# KiCad board Modem.kicad_pcb (continued)
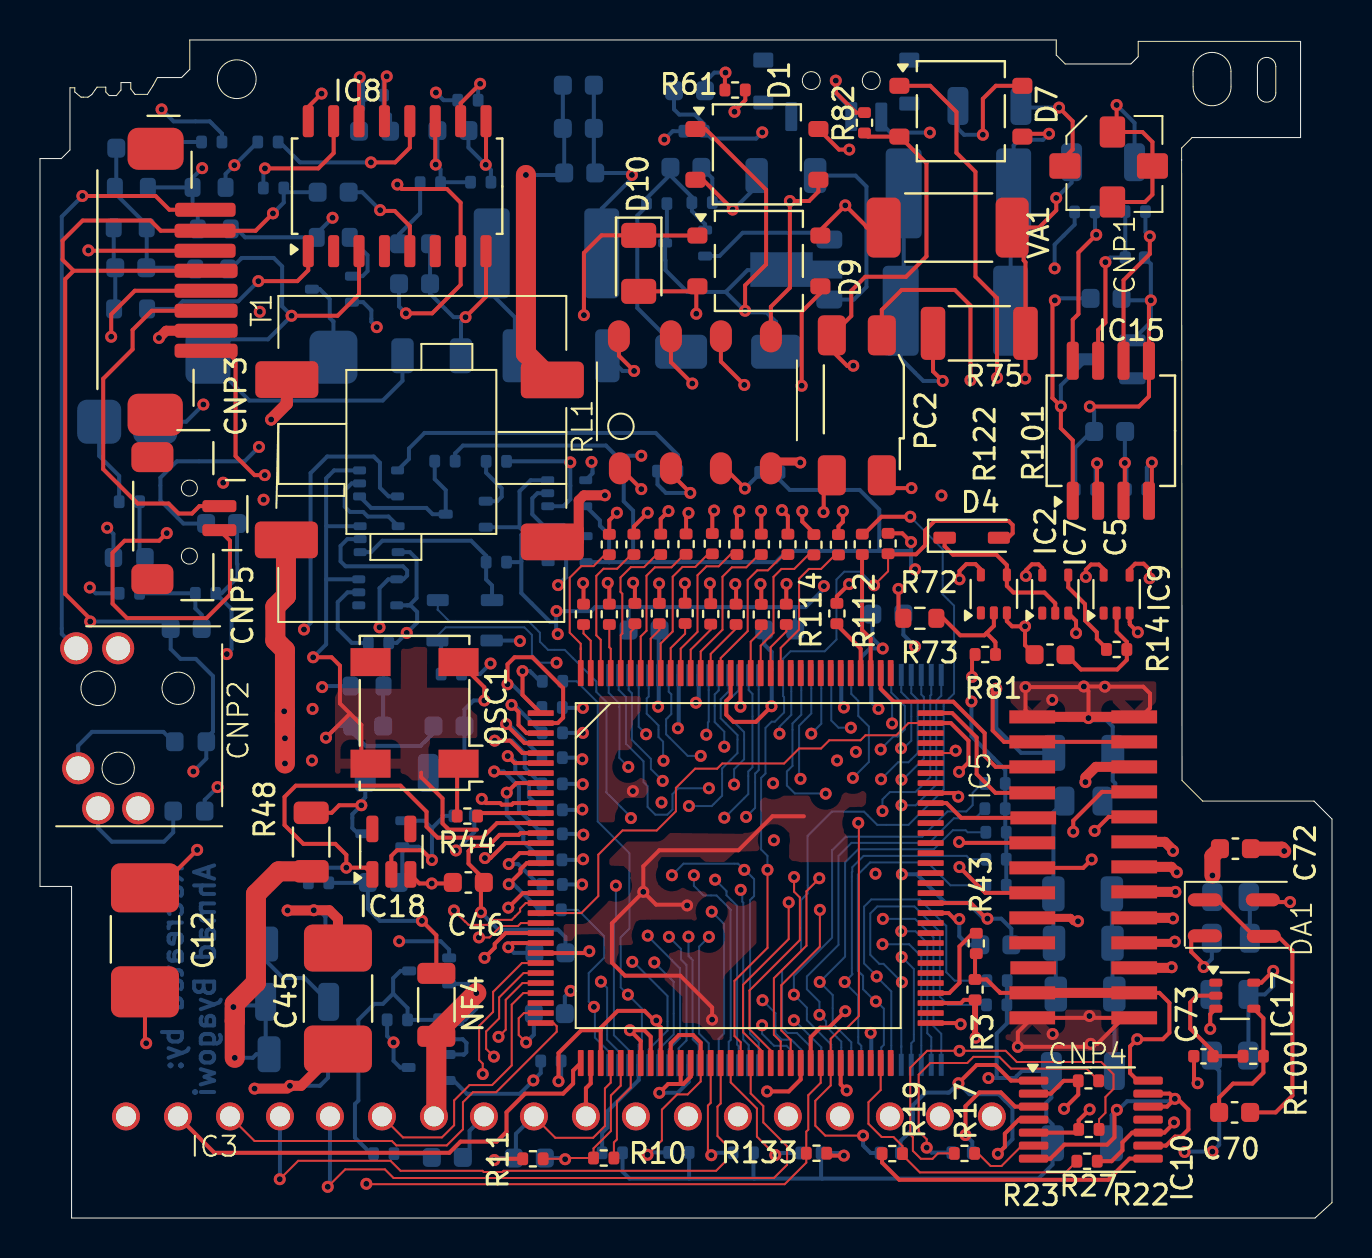
[diagram p0: board, top side]
## Routing (per net, layer and track width the routed paths; a pad name or vN(x,y) marks a point on that pad's centre or on a via; arc(x,y) is an arc through that point) (continued)
CNP5_2: length 18.5
  FC w0.2: CNP3.6 5.59,45.37 4.63,44.41 4.63,43.44 3.16,41.97 3.16,37.45 4.88,35.73 6.43,35.73 6.93,35.23 7.6,35.23 7.97,35.6 CNP5.2
D1_1: length 28.3
  FC w0.2: v1(35.26,45.37) 35.26,46.64 36.31,47.69 36.31,51.42 33.27,54.46 D1.1
  BC w0.2: R20.1 31.35,49 31.26,48.91 Q1.3 31.26,47.9 31.28,47.88 31.28,47.4 32.37,46.31 34.29,46.31 ; 34.29,46.31 35.38,47.4 39.35,47.4 Q2.2 ; 34.29,46.31 35.23,45.37 v1(35.26,45.37) 35.34,45.29 36.33,45.29 36.81,44.81 D2.1
D1_2: length 7.9
  FC w0.2: v1(34.64,50.43) 33.15,51.92 D1.2
  BC w0.2: C15.1 33.62,52 R9.1 34.29,50.78 v1(34.64,50.43) 34.68,50.43 35.84,51.59 R7.2
D2_2: length 14.7
  BC w0.2: D2.2 29.87,45.51 29.87,50.13 30.33,50.59 R20.2 30.33,50.99 31.53,52.19 31.53,52.54 31.53,52.14 32.6,51.06 R9.2 32.6,50.36 33.26,49.7 Q1.1
D4_1: length 8.2
  FC w0.2: IC7.2 50.77,30.74 50.23,31.28 48.68,31.28 48.35,31.61 IC2.4 48.35,32.65 47.83,33.17 45.66,33.17 45.24,33.59 D4.1
D7_1: length 38.6
  FC w0.2: v1(47.86,42.02) 47.86,46 46.78,47.08 46.78,52.32 45.83,53.27 45.83,55.31 44.52,56.62 D7.1 ; v1(50.75,45.89) 50.63,45.77 50.63,41 50.64,41 v1(51.05,40.59) 51.05,39.49 51.64,38.9 IC15.1
  IC2 w0.2: v1(50.75,45.89) 49.44,45.89 47.86,44.31 v1(47.86,42.02)
  BC w0.2: v1(50.75,45.89) 50.85,45.99 C54.2 ; D6.3 51.05,41.64 v1(51.05,40.59)
D7_3: length 11.7
  FC w0.2: v1(50.46,54.22) 49.26,54.22 49.12,54.08
  BC w0.2: v1(50.46,54.22) 50.16,53.92 48.97,53.92 48.69,53.64 C60.1 48.54,51.09 C59.1
DA1_2: length 5.6
  FC w0.2: DA1.2 61.26,15.8 v1(62.51,15.8)
  BC w0.2: C71.1 60.5,16 R99.1 60.7,15.8 v1(62.51,15.8)
FDC_CTS1#: length 20.4
  FC w0.1: v1(56.66,18.36) 56.66,18.4
  FC w0.2: v1(52.49,5.43) 51.94,4.88 R23.2 51.78,4.27 IC10.5
  FC w0.5: CNP4.8 56.25,18.81 56.66,18.4
  IC2 w0.1: v1(56.66,18.36) 56.64,18.36 53.46,15.18 53.46,7.03 52.51,6.08 52.51,5.45 v1(52.49,5.43)
FDC_DCD1_PC110: length 16
  FC w0.2: IC5.65 45.98,9.75 v1(46.04,9.69) ; v1(56.75,13.82) 56.69,13.76
  FC w0.4: 56.69,13.76 CNP4.4
  IC1 w0.2: v1(46.04,9.69) 50.17,13.82 v1(56.75,13.82)
FDC_DIR1#_PC110: length 28.9
  FC w0.1: IC5.54 37.54,8.91 37.07,9.38 37.07,11.64 39,13.57 v1(39,15.41)
  FC w0.5: v1(56.78,16.31) CNP4.6
  IC1 w0.1: v1(56.78,16.31) 56.73,16.31 56.03,15.61 40.03,15.61 39.83,15.41 v1(39,15.41)
FDC_DSR1_PC110: length 31.6
  FC w0.1: v1(37.44,15.78) 37.44,13.95 35.16,11.67 35.16,9.29 36.04,8.41 IC5.51
  FC w0.5: v1(56.85,17.29) 56.58,17.56 CNP4.7
  IC1 w0.1: v1(37.44,15.78) 37.9,15.78 38.13,16.01 54.39,16.01 54.44,16.06 55.48,16.06 56.75,17.33 56.81,17.33 v1(56.85,17.29)
FDC_RI1_PC110: length 19.7
  FC w0.1: v1(56.66,14.98) 56.63,15.01
  FC w0.2: IC10.2 50.55,6.22 51.19,6.86 R22.2 51.92,6.17 v1(51.21,5.46)
  FC w0.5: 56.63,15.01 CNP4.5
  IC2 w0.1: v1(51.21,5.46) 51.21,5.45 51.81,4.85 52.74,4.85 53.17,5.28 53.17,6.09 53.83,6.75 53.83,12.15 v1(56.66,14.98)
FDC_RTS1#_PC110: length 28
  FC w0.1: IC5.53 37.04,8.82 36.7,9.16 36.7,11.99 38.33,13.62 38.33,16.34 38.97,16.98 v1(38.97,16.99)
  FC w0.2: v1(52.74,19.36) 53.44,20.06 CNP4.9
  IC1 w0.1: v1(38.97,16.99) 39.1,16.99 39.18,17.07 39.68,17.07 40.42,16.33 49.5,16.33 49.54,16.37 49.85,16.37 52.74,19.26 v1(52.74,19.36)
FDC_RXD1_PC110: length 30.8
  FC w0.1: v1(37.71,17.05) 37.71,16.32 38,16.03 38,13.9 35.48,11.38 35.48,9.44 36.54,8.38 IC5.52
  FC w0.2: CNP4.10 53.11,21.31 51.67,19.87 v1(51.67,19.32)
  IC1 w0.1: v1(51.67,19.32) 51.57,19.32 48.89,16.64 40.69,16.64 39.69,17.64 38.27,17.64 37.71,17.08 v1(37.71,17.05)
FDC_TXD1_PC110: length 16.4
  FC w0.2: v1(55.49,31.99) 55.49,32.42 55.19,32.72 54.77,32.72 54.49,32.44 IC9.4
  FC w0.5: v1(52.28,21.8) 52.28,22.04 52.8,22.56 CNP4.11
  IC2 w0.5: v1(55.49,31.99) 54.07,30.57 54.07,23.6 52.28,21.81 v1(52.28,21.8)
IC3_15: length 56.9
  FC w0.5: T1.3 26.94,33.81 26.94,35.88 27.2,36.14 v1(28.25,36.14)
  IC1 w0.5: v1(45.08,36.13) 45.08,36.23 43.93,37.38 39.92,37.38 39.07,36.53 37.27,36.53 36.54,37.26 29.37,37.26 v1(28.25,36.14)
  IC2 w0.5: v1(45.08,36.13) 45.09,36.12 45.09,24.56 44.38,23.85 44.38,10.02 42.83,8.47 42.83,7.26 40.65,5.08 IC3.15
IC6_2: length 4.8
  BC w0.2: IC4.4 26.75,34.1 26.19,34.66 25.15,34.66 24.62,35.19 24.62,35.99 24.88,36.25 IC6.2
IC7_4: length 4.5
  FC w0.2: IC7.4 51.42,31.54 52.26,30.7 52.26,29.88 52.85,29.29 52.85,28.96 53.33,28.48 R14.1
IC8_3: length 29.1
  FC w0.2: v1(12.58,45.12) 14.88,45.12 15.95,46.2 IC8.3
  BC w0.2: R56.1 18.13,41.87 17.14,40.88 10.47,40.88 8.4,42.95 R55.2 8.61,43.05 9.5,43.94 11.4,43.94 v1(12.58,45.12) 12.11,45.59 12.11,47.59 11.69,48.01 10.09,48.01 9.54,47.46 R57.1
IC8_5: length 5
  FC w0.2: IC8.5 18.5,49.61 17.74,50.36 17.05,50.36 v1(17.01,50.4)
  BC w0.2: v1(17.01,50.4) 16.11,51.3 C2#2.1
IC8_7: length 19.2
  FC w0.2: v1(17.87,51.68) 18.09,51.46 20.35,51.46 21.03,50.78 IC8.7 21.03,46.67 19.61,45.24 v1(18.3,45.24)
  IC2 w0.2: v1(19.8,56.28) 17.87,54.35 v1(17.87,51.68)
  BC w0.2: v1(18.3,45.24) 17.95,45.59 C43.2 ; R63.2 20.18,55.9 v1(19.8,56.28)
IC8_9: length 5.2
  FC w0.2: v1(22.29,52.67) 22.31,52.69 22.31,54.85
  BC w0.2: R68.1 22.55,52.41 v1(22.29,52.67) 21.42,53.54 C41.1
IC8_10: length 38.7
  FC w0.2: IC8.10 21.03,55.75 v1(22.01,56.72)
  IC1 w0.2: v1(10.95,38.56) 10.39,39.12 10.39,44.72 v1(10.99,45.32)
  IC2 w0.2: v1(22.01,56.72) 22.01,56.69 21.07,55.75 21.07,50.49 19.91,49.33 16.26,49.33 15.16,48.23 13.9,48.23 v1(10.99,45.32)
  BC w0.2: R63.1 21.91,56.62 v1(22.01,56.72) ; C42.2 7.17,34.73 6.02,35.88 6.02,37.02 6.84,37.84 10.23,37.84 v1(10.95,38.56)
IC8_11: length 6.4
  FC w0.2: v1(19.79,52.68) 19.76,52.71 IC8.11
  BC w0.2: C41.2 19.88,52.77 v1(19.79,52.68) 20.03,52.44 R62.1 20.05,51.8 R68.2
IC8_12: length 8.6
  FC w0.2: v1(16.55,52.79) 17.76,52.79 18.5,53.53 IC8.12
  BC w0.2: R13.1 11.98,53.81 13,52.79 v1(16.55,52.79)
IC8_13: length 22.9
  FC w0.2: IC8.13 17.22,56.98 v1(17.34,57.09)
  IC1 w0.2: v1(6.08,55.44) 6.12,55.44 7.29,54.27 15.92,54.27 17.34,55.69 v1(17.34,57.09)
  BC w0.2: R60.1 9.1,54.23 8.49,54.84 6.68,54.84 v1(6.08,55.44) ; C38.1 17.5,55.16 17.18,55.48 R59.1 17.18,56.93 v1(17.34,57.09)
IC8_14: length 5.1
  FC w0.2: v1(15.99,57.05) 15.95,57.02 IC8.14
  BC w0.2: C38.2 15.95,55.27 16.16,55.47 R59.2 16.16,56.88 v1(15.99,57.05)
IC8_15: length 22.2
  FC w0.2: v1(11.25,52.49) 13.92,52.49 14.69,53.26 14.69,54.85
  IC1 w0.2: v1(8.17,40.68) 8.17,49.41 v1(11.25,52.49)
  BC w0.2: R4.2 11.17,52.41 v1(11.25,52.49) ; v1(8.17,40.68) 7.31,39.82 C13.1
IC8_16: length 59.9
  FC w0.2: v1(7.86,18.41) 5.96,16.51 C12.2 ; IC8.16 13.41,55.57 v1(14.08,56.23)
  IC2 w0.2: v1(14.08,56.23) 11.81,53.96 11.04,53.96 9.73,52.65 v1(9.72,52.65) 8.44,53.93 6.83,53.93 4.83,51.93 4.83,47.72 2.24,45.13 2.24,31.78 v1(2.49,31.53) 3.22,30.8 4.35,30.8 5.72,29.43 5.72,28.01 4.9,27.19 4.9,24.79 6.41,23.28 6.41,19.86 v1(7.86,18.41)
  BC w0.2: R13.2 9.73,52.65 v1(9.72,52.65) 9.28,52.21 R58.1 ; v1(2.49,31.53) 2.78,31.24 R70.2
IC9_2: length 6.1
  FC w0.2: IC9.2 53.84,29.32 54.35,28.81 R14.2 54.35,27.91 53.87,27.43 52.06,27.43 51.32,28.17 C5.2
IC10_6: length 3.6
  FC w0.1: IC10.6 49.1,3.62 48.08,2.6 47.54,2.6 46.91,3.23 R17.1
IC10_8: length 14.5
  FC w0.2: IC10.8 54.48,2.97 53.42,1.91 42.97,1.91 42.11,2.77 R19.2
IC12_3: length 41.2
  FC w0.2: R112.1 39.85,31.09 v1(40.46,31.7)
  IC1 w0.2: v1(41.78,17.22) 40.89,18.11 30.29,18.11 v1(28.8,16.62)
  IC2 w0.1: v1(41.78,17.22) 43.76,19.2 43.76,25.59 40.46,28.89 v1(40.46,31.7)
  BC w0.1: v1(28.8,16.62) 28.8,14.85 28.7,14.75 28.7,9.14 29.44,8.4 IC12.30
IC13_2: length 8.9
  BC w0.2: IC13.2 15.38,31.29 14.89,30.8 14.89,29.46 15.59,28.76 R25.2 16.42,28.13 17.18,27.37 R24.1 17.16,26.59 C37.1
IC13_4: length 18.4
  IC2 w0.2: v1(16.98,29.54) 17.42,29.98 22.94,29.98 24,28.92 v1(24,28.85)
  BC w0.2: D8.1 23.97,28.88 v1(24,28.85) ; IC16.2 15.37,33.95 15.03,33.61 15.03,32.84 15.28,32.59 18.15,32.59 18.36,32.38 18.36,32.13 18.17,31.94 IC13.4 17.42,31.94 16.98,31.5 v1(16.98,29.54)
IC14_1: length 7.6
  BC w0.2: IC14.1 16.56,35.51 19.32,35.51 19.63,35.2 Q7.3 20.29,36.4 19.74,36.95 R90.2
IC14_4: length 16.4
  BC w0.2: IC14.4 18.45,37.96 18.45,38.48 19.23,39.26 30.79,39.26 31.9,38.15 R46.1
IC15_2: length 3.2
  FC w0.2: IC15.2 52.86,35.93 v1(52.86,37.74)
  BC w0.2: R42.1 52.79,37.67 v1(52.86,37.74)
IC15_3: length 4.9
  FC w0.2: 54.19,35.87 54.25,35.94 v1(54.25,37.76)
  BC w0.2: R77.2 54.33,37.68 v1(54.25,37.76) 54.25,39.32 C52.1
IC15_4: length 3.4
  FC w0.2: IC15.4 55.6,36.02 v1(55.6,37.78)
  BC w0.2: R77.1 55.35,37.53 v1(55.6,37.78)
IC15_6: length 8.1
  FC w0.2: v1(55.5,49.09) 55.5,48.21 54.19,46.9 54.19,42.87
  BC w0.2: R15.1 55.28,49.31 v1(55.5,49.09)
IC15_7: length 8.5
  FC w0.2: IC15.7 52.91,44.42 53.28,44.78 v1(53.28,47.8)
  BC w0.2: v1(53.28,47.8) 53.51,48.03 C56.2 54.27,50.32 R15.2
IC15_8: length 33.1
  FC w0.2: IC15.8 51.64,44.93 51.93,45.21 51.93,48.28 v1(52.82,49.17)
  IC1 w0.2: v1(36.12,54.29) 36.35,54.29 38.55,52.09 47.43,52.09 50.35,49.17 v1(52.82,49.17)
  BC w0.2: v1(36.12,54.29) 35.81,53.98 33.59,53.98 R78.1 33.22,54.7 32.74,55.18 31.97,55.18 31.7,55.45 C56#2.2 ; R68#2.1 52.76,49.23 v1(52.82,49.17)
IC16_1: length 9.2
  BC w0.2: D3.1 22.6,31.64 22.31,31.93 R2.2 22.31,33.12 21.56,33.87 17.12,33.87 16.55,33.3 IC16.1
IC16_4: length 4.8
  BC w0.2: IC16.4 17.43,35.08 16.39,35.08 16.16,35.31 15.5,35.31 15.24,35.57 15.24,36.39 15.59,36.74 IC14.2
IC17_2: length 6.1
  FC w0.2: R100.2 C73.2 58.66,8.33 57.52,9.47 57.52,10.78 57.86,11.12 IC17.2
IC18_2: length 11.5
  FC w0.2: v1(19.6,17.9) 19.11,18.39 17.85,18.39 17.57,18.11 IC18.2
  BC w0.2: 19.6,19.49 20.22,20.11 R49.2 ; 19.6,19.49 v1(19.6,17.9) 18.93,18.57 D5.2 18.12,16.96 C58.1 ; 19.6,19.49 19.22,19.87 D5.1
IREF2: length 4.2
  FC w0.1: IC5.31 24.2,10.25 23.94,9.99 23.94,9.15 v1(24.31,8.78)
  BC w0.2: C34.2 24.69,9.17 v1(24.31,8.78)
L1_1: length 62.2
  FC w0.2: v1(47.15,54.17) 47.15,55.97 47.8,56.62 49.12,56.62 ; D1.4 39.95,53.43 v1(40.47,53.43) ; 39.03,49.13 39.03,49.4 v1(40.27,50.64) 41.3,49.61 41.3,49.58 41.35,49.53 42.48,49.53
  FC w0.6: T1.1 12.34,40.71 v1(11.56,39.93)
  IC1 w0.2: v1(40.47,53.43) 40.67,53.23 46.21,53.23 v1(47.15,54.17) ; v1(11.56,39.93) 11.56,42.11 12.29,42.84 27.45,42.84 28.82,44.21 32.34,44.21 32.71,43.84 36.57,43.84 40.27,47.54 v1(40.27,50.64)
  IC2 w0.2: v1(40.27,50.64) 40.27,50.63 40.27,53.23 v1(40.47,53.43)
  BC w0.2: 47.24,54.17 v1(47.15,54.17) 46.21,54.17 45.91,54.48 L1.2
L1_2: length 43
  FC w0.2: v1(49.27,41.98) 49.28,41.99 R75.2 49.28,47.8 49.19,47.89 49.19,48.74 48.4,49.53 49.96,49.53 50.82,50.39 v1(50.82,51.01) ; RL1.6 34.05,42.83 v1(35.22,41.66) ; RL1.8 28.95,43.12 v1(29.71,42.36)
  IC1 w0.2: v1(49.27,41.98) 49.27,42.62 48.78,43.11 44.3,43.11 42.54,41.35 40.4,41.35 38.89,42.86 36.47,42.86 35.27,41.66 v1(35.22,41.66) 33.95,42.93 30.28,42.93 v1(29.71,42.36)
  BC w0.2: v1(50.82,51.01) 51.59,51.78 L2.2 ; R12.1 29.13,42.36 v1(29.71,42.36)
L3_1: length 15.9
  IC2 w0.2: v1(9.34,28.2) 8.89,27.75 8.89,21.56 v1(8.88,21.55)
  BC w0.2: L3.1 8.24,20.91 v1(8.88,21.55) ; v1(9.34,28.2) 9.58,28.44 9.58,30.45 R71.1 9.08,31.24 9.87,32.03 9.87,32.71 9.85,32.73 9.85,33.58 9.85,33.59 C42.1
L3_2: length 6.3
  BC w0.2: L3.2 6.66,19.28 6.2,18.82 3.59,18.82 2.91,19.5 CNP2.1
L4_1: length 2.9
  BC w0.2: R65.1 4.98,33.3 L4.1
L5_2: length 6.5
  BC w0.2: CNP2.5 1.91,23.62 2.6,24.31 6.17,24.31 6.66,23.82 L5.2
MN192_S11_BUF: length 51.3
  FC w0.4: CNP4.22 51.53,15.01 51.7,14.84 v1(51.91,14.84)
  IC2 w0.2: v1(24.67,6.88) 24.68,6.88
  IC2 w0.4: v1(51.91,14.84) 51.5,14.43 51.5,8.63 49.62,6.75 49.62,3.05 48.56,1.99 25.71,1.99 25.05,2.65 25.05,3.53 25.83,4.31 25.83,5.73 24.68,6.88
  BC w0.2: Q4.2 20.68,6.88 21.35,6.21 24,6.21 v1(24.67,6.88) 25.04,7.25 R52.2
MN195_A0: length 7.5
  FC w0.1: IC5.128 27.04,28.44 ; 27.04,28.44 27.04,28.72 26.49,29.27 26.49,32.02 27.07,32.6 27.68,32.6 28.25,33.17 R111.2 ; 27.04,28.44 27.04,28.51
MN195_A1: length 2.6
  FC w0.1: R122.2 27.18,29.23 27.54,28.87 IC5.127
MN195_A2: length 7.3
  FC w0.1: R110.2 29.57,33.18 28.86,32.47 28.18,32.47 27.82,32.11 27.82,29.14 28.04,28.92 IC5.126
MN195_A3: length 2.5
  FC w0.1: IC5.125 28.54,28.47 28.47,28.54 R121.2
MN195_A4: length 7.3
  FC w0.1: R109.2 30.84,33.18 30.21,32.55 29.55,32.55 29.03,32.03 29.03,31.31 29.12,31.22 29.12,29.23 29.04,29.15 IC5.124
MN195_A5: length 2.6
  FC w0.1: IC5.123 29.54,29.32 29.75,29.53 R120.2
MN195_A6: length 7.4
  FC w0.1: IC5.122 30.04,29.08 30.33,29.37 30.33,32.12 30.75,32.54 31.58,32.54 32.23,33.19 R108.2
MN195_A7: length 2.6
  FC w0.1: IC5.121 30.54,28.97 30.97,29.4 R119.2
MN195_A8: length 7.5
  FC w0.1: R107.2 33.42,33.21 32.77,32.56 32.13,32.56 31.64,32.07 31.64,29.33 31.04,28.73 IC5.120
MN195_A9: length 2.8
  FC w0.1: R118.2 32.26,29.22 31.54,28.5 IC5.119
MN195_A10: length 7.6
  FC w0.1: IC5.118 32.04,28.47 32.88,29.31 32.88,32.14 33.33,32.59 33.94,32.59 34.53,33.18 R106.2
MN195_A11: length 2.9
  FC w0.1: IC5.117 32.54,28.42 33.54,29.42 R117.2
MN195_A12: length 7.7
  FC w0.1: R105.2 35.96,33.18 35.32,32.54 34.6,32.54 34.13,32.07 34.13,29.42 33.04,28.33 IC5.116
MN195_A13: length 3
  FC w0.1: IC5.115 33.54,28.21 34.81,29.48 R116.2
MN195_A14: length 7.8
  FC w0.1: IC5.114 34.04,28 35.39,29.35 35.39,31.91 35.87,32.39 36.4,32.39 37.19,33.18 R104.2
MN195_A15: length 2.6
  FC w0.1: IC5.111 35.54,28.82 36.07,29.35 R115.2
MN195_A16: length 7.6
  FC w0.1: IC5.110 36.04,28.62 36.68,29.26 36.68,32.06 37.08,32.46 37.72,32.46 38.42,33.16 R103.2
MN195_A17: length 2.8
  FC w0.1: R114.2 37.32,29.33 36.54,28.55 IC5.109
MN195_A18: length 7.6
  FC w0.1: R102.2 39.76,33.16 39.06,32.46 38.45,32.46 37.96,31.97 37.96,29.43 37.04,28.51 IC5.108
MN195_ADCK#: length 38.9
  FC w0.1: IC5.21 27.07,15.25 27.92,16.1 27.92,18.17 29.13,19.38 30.84,19.38 31.8,20.34 31.8,21.51 32.76,22.47 33.86,22.47 34.12,22.73 37.21,22.73 37.96,23.48 39.06,23.48 39.47,23.89 41.03,23.89 41.28,24.14 42.82,24.14 43.43,24.75 IC5.95
  FC w0.2: CNP4.21 47.27,16.26 v1(45.98,17.55) ; v1(45.96,22.31) 46.43,22.78 46.43,23.87 45.55,24.75 IC5.95
  IC2 w0.1: 45.35,18.45 45.35,18.18 v1(45.98,17.55) ; 45.35,18.45 45.35,18.53 ; 45.35,18.45 45.35,21.7 v1(45.96,22.31)
MN195_AGCIN: length 30.7
  FC w0.1: IC5.28 24.13,11.75 23.29,10.91 23.29,9.42 v1(22.93,9.06)
  IC1 w0.2: v1(22.93,9.06) 23.25,9.38 24.57,9.38 25.51,8.44 42.33,8.44 44.67,6.1 46.58,6.1 IC3.18
MN195_AGCOUT: length 29.5
  FC w0.1: IC5.27 24.18,12.25 22.96,11.03 22.96,9.98 22.31,9.33 22.31,8.46 v1(22.7,8.07)
  IC1 w0.2: IC3.17 42.12,7.96 22.81,7.96 v1(22.7,8.07)
MN195_CX: length 3.2
  FC w0.2: R44.1 22.03,20.25 IC5.11
MN195_DVDD1: length 76.3
  FC w0.2: IC5.113 34.54,26.08 34.32,25.86 34.32,25.17 34.68,24.81 35.8,24.81 v1(36.58,25.59) ; IC5.25 27.38,13.25 v1(27.47,13.34) ; IC5.77 46.55,15.75 47.19,15.11 47.24,15.11 v1(47.38,14.97) ; IC5.13 24.03,19.25 23.94,19.16 22.98,19.16 22.43,18.61 21.69,18.61 21.43,18.35 21.43,17.72 22.19,16.96 C46.2 22.05,16.64 v1(22.05,15.29)
  IC1 w0.4: v1(43.1,17.19) 43.1,17.4 41.61,18.89 v1(36.7,18.89) 36.47,18.66 29.63,18.66 28.02,17.05 28.02,13.89 v1(27.47,13.34)
  IC2 w0.4: v1(36.58,25.59) 35.67,24.68 35.67,21.4 36.7,20.37 v1(36.7,18.89)
  BC w0.2: R33.1 50.63,13.66 C47.1 48.57,14.47 48.07,14.97 v1(47.38,14.97) 47.19,14.97 46.39,15.77 45.27,15.77 43.85,17.19 v1(43.1,17.19) ; R33.1 50.8,13.65 R34.1 ; R33.1 50.71,13.86 50.68,13.89 R26.1 50.68,20.3 C23.2 ; v1(36.58,25.59) 36.59,25.6 36.59,28.31 36.22,28.69 C48.2 ; v1(27.47,13.34) 27.39,13.26 C39#2.1 26.28,14.05 25.9,14.42 22.92,14.42 v1(22.05,15.29)
MN195_EQMD#: length 19.6
  FC w0.1: IC5.20 24.29,15.75 24.01,15.47 24.01,15.33 23.76,15.08 23.59,14.91 22.64,14.91 22.39,14.66 21.43,14.66 21.27,14.82 21.26,14.82 v1(20.7,15.38)
  IC2 w0.1: 20.7,16.21 20.7,16.28 ; 20.7,16.21 20.7,16.7 20.05,17.35 18.68,17.35 17.94,18.09 17.94,22 14.48,25.46 v1(13.63,25.46) ; 20.7,16.21 v1(20.7,15.38)
MN195_EYCY#: length 17.8
  FC w0.1: v1(21.95,14.03) 22.48,14.03 23.05,14.6 23.9,14.6 24.05,14.75 IC5.22
  IC2 w0.1: v1(21.95,14.03) 20.99,14.03 17.55,17.47 17.55,21.62 16.29,22.88 v1(13.6,22.88)
MN195_HDRES#: length 24.6
  FC w0.2: IC5.12 22.85,19.75 22.12,19.02 19.88,19.02 19.33,19.57 19.33,20.32 18.03,21.62 12.79,21.62 12.23,21.06 12.23,19.65 13.17,18.71 14.77,18.71 15.32,18.16 v1(15.32,17.52) 16.28,17.52 IC18.1
  BC w0.2: v1(15.32,17.52) 13.64,17.52 13.42,17.3 R51.2
MN195_HPOUT: length 13.9
  FC w0.1: IC3.6 18.15,4.03 20.1,4.03 20.71,4.64 20.71,5.88 21.48,6.65 22.61,6.65 23.59,7.63 23.59,10.67 24.17,11.25 IC5.29
MN195_HVDD: length 23.7
  FC w0.2: IC3.2 8.72,3.26 20.47,3.26 21.03,3.82 22.84,3.82 23.33,4.31 23.33,5.29 24.26,6.22 26.16,6.22 26.66,6.72 26.66,7.37 IC5.33
MN195_IREF0: length 5.1
  FC w0.1: R10.1 28.7,3.78 28.85,3.93 28.85,5.83 29.54,6.52 IC5.38
MN195_IREF1: length 8.9
  FC w0.1: IC5.37 29.04,6.62 28.55,6.13 28.55,4.35 27.68,3.48 R10.2 26.32,3 v1(26.26,2.94) 26.24,2.96 R11.1
  BC w0.2: v1(26.26,2.94) 26.2,3 C2.1
MN195_IRQ1#: length 18.7
  FC w0.1: v1(46.79,9.02) 46.76,9.05
  FC w0.2: IC5.67 46.05,10.75 46.21,10.91 R3.1 ; v1(52.59,17.93) 52.17,17.51 CNP4.20
  FC w0.3: 46.76,9.05 R3.1
  IC2 w0.1: v1(46.79,9.02) 46.8,9.02 47.44,9.66 47.44,12.8 52.57,17.93 v1(52.59,17.93)
MN195_IRQ2#: length 4.6
  FC w0.2: IC5.68 45.47,11.25 45.98,11.76 45.98,13.58 46.64,14.24 R43.2
MN195_MD0: length 6
  FC w0.2: v1(23.34,21.27) 23.82,21.75 IC5.8
  BC w0.2: R125.2 24.17,18.82 24.17,19.32 23.34,20.15 v1(23.34,21.27)
MN195_MD1: length 6.8
  FC w0.2: v1(22.71,22.33) 22.79,22.25 IC5.7
  BC w0.2: v1(22.71,22.33) 23.19,22.33 23.95,21.57 23.95,20.39 25.1,19.24 R126.2
MN195_MD2: length 5.2
  FC w0.2: IC5.6 23.74,22.75 v1(23.39,23.1)
  BC w0.2: R127.2 24.45,21.06 24.45,21.66 23.77,22.34 23.77,22.81 23.48,23.1 v1(23.39,23.1)
MN195_MD3: length 6.2
  FC w0.2: IC5.5 24.13,23.25 23.51,23.87 v1(22.74,23.87)
  BC w0.2: v1(22.74,23.87) 23.61,23.87 24.24,23.24 24.24,22.52 25.05,21.71 R124#2.2
MN195_MD4: length 4.6
  FC w0.2: IC5.4 24.23,23.75 23.31,24.67 v1(23.31,24.7)
  BC w0.2: v1(23.31,24.7) 23.42,24.7 R129.2
MN195_MD5: length 4.5
  FC w0.2: v1(23.58,25.66) 23.93,25.31 23.93,24.65 24.33,24.25 IC5.3
  BC w0.2: R130.2 23.71,25.66 v1(23.58,25.66)
MN195_MD6: length 9.5
  FC w0.2: IC5.2 25.89,24.75 26.16,25.02 26.16,26.5 24.62,28.04 23.73,28.04 23.38,27.69 v1(23.38,26.69)
  BC w0.2: R131.2 24.76,25.53 23.6,26.69 v1(23.38,26.69)
MN195_MD7: length 3.7
  FC w0.2: v1(24.13,27.35) 24.13,26.16 IC5.1
  BC w0.2: R132.2 25.01,26.84 24.5,27.35 v1(24.13,27.35)
MN195_MOD1,3: length 10.9
  FC w0.1: v1(30.38,3.16) 31.1,3.88 31.1,5.42 31.86,6.18 32.39,6.18 33.04,6.83 IC5.45
  FC w0.2: IC5.42 31.54,8.74 31.95,9.15 32.66,9.15 33.04,8.77 IC5.45
  BC w0.2: R41.2 30.5,3.28 v1(30.38,3.16)
MN195_MTA1: length 38.9
  FC w0.1: v1(45.79,23.37) 45.67,23.25 IC5.92
  IC2 w0.1: v1(45.79,23.37) 45,22.58 45,9.23 43.49,7.72 43.49,4.62 43.5,4.61 43.5,4.02 42.03,2.55 29.96,2.55 29.18,3.33 29.18,4.46 IC3.11
MN195_PLSD: length 32.2
  FC w0.2: v1(22.23,13.01) 22.74,13.52 22.74,13.71 23.28,14.25 IC5.23
  IC2 w0.2: IC3.1 5.49,3.89 15.12,3.89 15.68,4.45 15.68,13.35 16.93,14.6 18.34,14.6 19.96,12.98 22.2,12.98 v1(22.23,13.01)
MN195_RD#: length 4.3
  FC w0.2: IC5.16 24.34,17.75 24.03,17.44 24.03,17.28 v1(23.44,16.69)
  BC w0.2: R123.2 24.97,15.41 23.69,16.69 v1(23.44,16.69)
MN195_RXL: length 21.2
  FC w0.1: IC5.32 25.68,9.75 25.84,9.59 25.84,9.32 22.81,6.29 21.65,6.29 21.15,5.79 21.15,4.44 20.34,3.63 17.82,3.63 17.6,3.85 10.73,3.85 IC3.3
MN195_S0: length 59.5
  FC w0.1: IC5.46 33.54,5.76 33.4,5.62 33.4,3.31 v1(33.57,3.14)
  IC2 w0.1: v1(26.52,37.79) 24.65,35.92 24.65,28.57 24.28,28.2 23.44,28.2 23.15,28.49 21.98,28.49 21.44,27.95 21.44,15.08 21.85,14.67 24.01,14.67 24.78,13.9 24.78,10.96 28.53,7.21 32.76,7.21 33.48,6.49 33.48,4.44 33.57,4.35 v1(33.57,3.14)
  BC w0.2: R21.2 33.69,3.26 v1(33.57,3.14) ; R92.1 26.47,37.84 v1(26.52,37.79) 26.52,35.94 26.18,35.6 IC6.1
MN195_S1: length 31.4
  FC w0.1: v1(11.99,1.94) 12.91,2.86 17.53,2.86 18.03,2.36 22.13,2.36 22.19,2.3 23.12,2.3 23.18,2.36 33.81,2.36 34.26,2.81 34.26,3.72 33.88,4.1 33.88,5.57 34.04,5.73 IC5.47
  BC w0.2: IC3.4 12,1.95 v1(11.99,1.94)
MN195_S2: length 47.6
  FC w0.1: v1(36.77,3.15) 35.85,4.07 35.85,5.47 34.54,6.78 IC5.48
  IC2 w0.1: v1(25.91,31.65) 25.01,30.75 25.01,24.41 24.22,23.62 24.22,15.4 25.14,14.48 25.14,11.15 28.72,7.57 34.89,7.57 35.46,7 35.46,6.1 35.97,5.59 35.97,3.95 v1(36.77,3.15)
  BC w0.2: IC4.2 26.06,33.45 26.31,33.2 26.31,32.05 v1(25.91,31.65) ; R47.2 36.87,3.25 v1(36.77,3.15)
MN195_S3: length 40.7
  FC w0.1: v1(36.38,17.41) 36.38,13.51 34.73,11.86 34.73,9.1 35.04,8.79 IC5.49 ; v1(41.71,31.64) 42.41,32.34 R72.2
  FC w0.2: R72.2 42.44,33.19 43.81,33.19 44.26,33.64 44.26,34.38 44.74,34.86 48.44,34.86 48.64,34.66 48.64,34.24 48.42,34.02 D4.2
  BC w0.1: v1(41.71,31.64) 41.03,32.32 40.22,32.32 39.83,31.93 39.83,28.93 39.24,28.34 37.53,28.34 37.16,27.97 37.16,26.1 37.21,26.05 37.21,25.28 36.75,24.82 36.59,24.82 36.28,24.51 36.28,22.23 36.06,22.01 36.06,18.43 36.38,18.11 v1(36.38,17.41)
MN195_S4: length 33.2
  FC w0.1: IC5.50 35.54,6.23 36.17,5.6 36.17,4.78 37.36,3.59 37.36,2.66 36.7,2 17.68,2 17.25,2.43 15.26,2.43 v1(14.39,1.56)
  BC w0.2: v1(14.39,1.56) 14.5,1.67 IC3.5
MN195_S9: length 28.1
  FC w0.1: R22.1 52.33,7.47 48.56,7.47 47.97,8.06 46.68,8.06 46.37,7.75 44.52,7.75 43.94,7.17 43.94,4.34 44.34,3.94 v1(44.34,3.52)
  FC w0.2: IC5.55 38.04,6.93 37.44,6.33 v1(36.36,6.33) ; v1(44.34,3.52) 44.34,3.65
  IC1 w0.2: v1(44.34,3.52) 40.83,3.52 40.49,3.86 37.01,3.86 36.36,4.51 v1(36.36,6.33)
  BC w0.2: v1(44.34,3.52) 44.59,3.27 R16.2
MN195_S10: length 30.7
  FC w0.1: R23.1 52.96,4.94 53.28,5.26 53.28,6.05 53.68,6.45 53.68,7.19 53.07,7.8 48.85,7.8 48.29,8.36 v1(45.98,8.36) 44.36,8.36 43.52,7.52 43.52,4.17 43.65,4.04 43.65,3.36 44.05,2.96 44.63,2.96 44.9,3.23 R17.2
  FC w0.2: v1(40.27,10.34) 39.45,9.52 39.02,9.52 38.54,9.04 IC5.56
  IC1 w0.2: v1(40.27,10.34) 41.35,10.34 41.76,9.93 44.41,9.93 v1(45.98,8.36)
MN195_S11: length 43.9
  FC w0.1: IC5.57 39.04,6.76 38.42,6.14 38.42,4.42 38.32,4.32 R133.2 38.32,2.77 37.24,1.69 16.34,1.69 v1(16.32,1.71)
  IC2 w0.2: v1(17.96,13.84) 18.33,13.47 18.33,3.72 v1(16.32,1.71)
  BC w0.2: Q3.1 20.46,13.42 20.04,13.84 v1(17.96,13.84)
MN195_S12: length 50
  FC w0.1: v1(41.16,4.12) 39.27,4.12 38.77,4.62 38.77,5.86 39.54,6.63 IC5.58 39.54,8.96 40.06,9.48 40.33,9.48 40.95,10.1 40.95,19.73 v1(40.92,19.76)
  IC1 w0.1: v1(40.92,19.76) 40.82,19.66 36.57,19.66 36.05,19.14 30.62,19.14 29.76,20 v1(29.55,20)
  BC w0.1: v1(29.55,20) 29.55,20.05 28.32,21.28 28.32,25.81 27.82,26.31 27.82,26.83 26.24,28.41 25.41,28.41 25,28.82 25,29.27 24.41,29.86 20.45,29.86 19.89,30.42 19.89,30.44 ; 19.89,30.44 19.89,30.4 ; 19.89,30.44 D3.2
  BC w0.2: R67.2 41.54,3.25 41.16,3.63 v1(41.16,4.12)
MN195_S13: length 45.2
  FC w0.2: v1(40.34,6.38) 40.04,6.68 IC5.59
  IC2 w0.1: v1(25.83,27.77) 25.83,24.68 24.53,23.38 24.53,22.58 24.53,22.58 24.53,15.82 24.53,15.82 24.53,15.72 25.5,14.75 25.5,11.39 28.93,7.96 38.76,7.96 v1(40.34,6.38)
  BC w0.1: v1(25.83,27.77) 25,27.77 24.6,28.17 24.6,29.16 24.22,29.54 20.29,29.54 19.87,29.12 D8.2
  BC w0.2: 25.81,27.75 v1(25.83,27.77) ; R72#2.2 20.06,28.69 D8.2
MN195_SHIN: length 29.7
  FC w0.1: IC5.26 24.1,12.75 22.66,11.31 22.66,10.31 21.96,9.61 21.96,7.9 22.14,7.72 v1(22.14,7.2)
  IC1 w0.2: v1(22.14,7.2) 22.25,7.09 23.6,7.09 24.03,7.52 41.21,7.52 42.5,6.23 IC3.16
MN195_TXLPIN: length 12.5
  FC w0.1: IC3.9 25.77,4.01 27.66,4.01 28.25,4.6 28.25,6.48 28.54,6.77 IC5.36
  FC w0.2: R11.2 22.78,2.96 v1(22.72,2.9)
  BC w0.2: IC3.9 24.67,5.08 23.8,4.21 23.8,3.11 C2.2 22.82,3 v1(22.72,2.9)
MN195_TXOUT: length 2.8
  FC w0.2: IC5.34 27.54,6.73 27.3,6.49 IC3.10
MN195_U1RD#: length 15.2
  FC w0.1: IC5.63 42.04,6.4 41.43,5.79 41.43,4.71 42.09,4.05 42.68,4.05 43.13,3.6 R19.1 43.13,3.15 44,2.28 51.29,2.28 R27.2
MN195_U1RD#_R: length 15.2
  FC w0.1: v1(56.59,12.54) 56.56,12.51
  FC w0.2: R27.1 53.59,2.84 54.13,3.38 54.13,3.78 54.62,4.27 IC10.10 56.23,4.27 56.71,4.75 v1(56.71,4.78)
  FC w0.5: 56.56,12.51 CNP4.3
  IC2 w0.1: v1(56.71,4.78) 56.52,4.78 56,5.3 56,11.95 v1(56.59,12.54)
MN195_UC0#: length 6.1
  FC w0.2: IC5.99 41.54,28.97 41.11,29.4 41.11,33.17 R101.2
MN195_UC1: length 3
  FC w0.2: R112.2 39.85,29.66 41.04,28.47 IC5.100
MN195_VPCK#: length 5.4
  FC w0.2: IC5.87 45.33,20.75 46.07,20.01 CNP4.18
MN195_VPDA#: length 7.4
  FC w0.1: v1(45.96,18.8) 46,18.76
  FC w0.2: v1(45.92,21.07) 45.74,21.25 IC5.88 ; 46,18.76 CNP4.19
  IC2 w0.1: v1(45.96,18.8) 45.96,21.04 45.95,21.04 v1(45.92,21.07)
MN195_VREEH: length 32.4
  FC w0.2: 13.68,15.38 v1(13.69,15.39) ; IC5.39 30.04,8.85 v1(29.5,9.39) 30.22,9.39 30.54,9.07 IC5.40
  FC w0.5: v1(12.38,15.38) 13.68,15.38 ; C45.2 14.9,14.96 14.47,15.39 v1(13.69,15.39)
  IC1 w1: v1(12.38,15.38) 12.38,11.66 13.86,10.18 25.43,10.18 26.22,9.39 v1(29.5,9.39)
  BC w0.2: R35.2 14.27,15.05 14.28,15.06 13.95,15.39 v1(13.69,15.39)
MN195_VSDA#: length 7.8
  FC w0.2: IC5.96 45.62,25.25 46.84,24.03 46.84,22.2 47.78,21.26 CNP4.17
MN195_VSEN#: length 10.6
  FC w0.2: IC5.98 42.04,26.47 42.69,25.82 45.67,25.82 47.24,24.25 47.24,23.11 47.79,22.56 CNP4.16
MN195_WR#: length 3.9
  FC w0.2: v1(23.44,17.7) 23.99,18.25 IC5.15
  BC w0.2: R124.2 24.93,16.68 23.91,17.7 v1(23.44,17.7)
NF1_1: length 4.8
  BC w0.2: R35.1 11.35,12.81 12.16,12 13.25,12 NF1.1
NF2_1: length 8.9
  BC w0.2: NF2.1 53.72,11.2 R34.2 53.63,11.29 R33.2 53.6,13.77 R26.2
OSC1_1: length 2.6
  FC w0.2: OSC1.1 20.86,22.65 R44.2
OSC1_2: length 8.4
  FC w0.2: v1(22.22,25.88) 22.22,26.54 20.96,27.8 OSC1.2
  BC w0.2: v1(22.22,25.88) 21.68,25.88 21.22,25.43 C24.1 21.22,22.67 20.82,22.26 NF3.1
PC2_1: length 22.4
  FC w0.2: PC2.1 42.1,45.42 43.09,46.41 45.75,46.41 46.53,45.63 v1(46.53,41.9)
  IC2 w0.2: v1(50.74,47.49) 47.84,47.49 46.53,46.18 v1(46.53,41.9)
  BC w0.2: R68#2.2 51.74,49.68 50.74,48.68 v1(50.74,47.49)
Pluto_Enabled_PNET5: length 57.5
  FC w0.2: IC9.5 53.19,32.44 52.95,32.68 52.56,32.68 52.3,32.42 v1(52.3,32.06) ; v1(30.07,36.45) 29.03,37.49 RL1.1 ; IC7.5 50.12,32.5 49.93,32.69 49.6,32.69 49.3,32.39 v1(49.3,32.11) ; IC2.5 47.05,32.43 46.78,32.7 46.32,32.7 45.98,32.36 v1(45.98,31.94) ; CNP4.12 CNP4.15 48.21,23.81 47.64,24.38 47.64,26.29 v1(47.82,26.47) ; v1(43.58,36.5) 42.74,36.5 PC2.2
  IC1 w1: v1(52.3,32.06) 52.25,32.11 v1(49.3,32.11) 49.13,31.94 v1(45.98,31.94) 45.98,29.81 47.82,27.97 v1(47.82,26.47)
  BC w0.2: 18.37,30.64 IC13.5 ; 18.37,30.64 18.47,30.64 18.83,31 18.83,32.97 18.5,33.3 IC16.5 ; 18.37,30.64 18.53,30.64 18.86,30.31 18.86,29.78 v1(18.34,29.26) 17.84,28.76 R25.1 ; v1(47.82,26.47) 47.82,24.5 49.06,23.26 C31.2 ; IC14.5 17.43,36.09 17,36.52 17,37.77 16.69,38.08 14.36,38.08 13.53,37.25 13.53,29.76 v1(13.2,29.43)
PNET1: length 28.4
  FC w0.2: 9.74,10.48 v1(9.67,10.55)
  FC w1: v1(9.74,8.01) 9.74,9.84 ; 9.74,9.84 9.74,10.48 ; 9.74,9.84 9.74,10.71 10.8,11.77 10.8,16.2 11.94,17.34 R48.1
  BC w0.2: v1(57.24,3.3) 57.26,3.32 v1(58.63,3.32) 58.97,3.66 58.97,7.35 58.6,7.72 R98.2 ; v1(9.67,10.55) 9.75,10.63 10.79,10.63 10.97,10.81 NF1.2 11.28,8.36 11.45,8.19 10.82,8.19 10.64,8.01 v1(9.74,8.01) ; R1.2 17.36,9.1 v1(17.68,8.78) 17.68,7.86 18.01,7.53 Q4.3
PNET4: length 55.2
  FC w0.2: 19.82,5.2 IC3.7 ; C73.1 57.71,8.08 57.71,6.92 v1(57.89,6.74) ; 28.04,9.39 IC5.35 ; 28.04,9.39 28.04,9.51 28.89,10.36 30.23,10.36 30.71,9.88 v1(30.82,9.88) 30.82,9.76 31.04,9.54 IC5.41 ; 28.04,9.39 27.07,9.39 25.93,8.25 v1(25.93,6.84) ; 12.25,25.3 v1(12.21,25.34) ; v1(58.52,9.46) 58.52,10.19 IC17.3 ; DA1.3 57.57,14.11 57.57,13.31 58.19,12.69 v1(58.19,12.55) ; 12.36,6.47 v1(12.5,6.61)
  FC w0.5: v1(12.5,6.61) 13.06,6.61 C45.1 ; v1(10.73,6.47) 12.36,6.47
  FC w0.7: v1(62.22,18.35) 62.1,18.47 C72.2
  FC w1: 12.25,24.77 12.25,28.4 11.77,28.88 11.77,30.57 12.3,31.1 12.3,33.89 T1.2 ; 12.25,24.77 12.25,25.3 ; 12.25,24.77 v1(12.25,22.73) ; v1(21.82,11.25) 19.82,9.25 NF4.1 19.82,5.2
  BC w0.2: v1(58.52,9.46) 58.53,9.47 C74.2 ; v1(25.93,6.84) 26.06,6.97 R52.1 ; C57.1 14.41,7.02 14,6.61 v1(12.5,6.61) 10.87,6.61 v1(10.73,6.47) ; v1(58.19,12.55) 58.6,12.96 C71.2 ; Q3.2 21.36,11.71 v1(21.82,11.25) 21.82,10.47 21.27,9.92 R8.1
  vias: v1(12.25,23.99)
Q2_1: length 16.8
  BC w0.2: Q2.3 40.7,45.93 41.33,46.56 41.33,51.58 40.78,52.13 R7.1 ; Q2.1 38.94,48.93 38.59,49.28 38.58,49.27 35.14,49.27 33.98,48.11 Q1.2
Q3_3: length 18.1
  BC w0.2: 17.66,11.22 17.66,11.99 18.03,12.36 Q3.3 ; 17.66,11.22 18.38,10.5 R1.1 19.92,9.91 R8.2 19.93,9.25 20.24,8.94 21.14,8.94 21.33,8.75 21.32,8.74 21.32,8.29 21.2,8.17 21.18,8.17 21.17,8.18 Q4.1 ; 17.66,11.22 17.15,10.71 16.72,10.71 15.92,9.91 15.92,5.87 15.75,5.7 15.75,4.02 16.55,3.22 R76.2
Q7_1: length 3
  BC w0.2: Q7.1 22.87,35.85 23.09,36.07 23.09,36.49 22.31,37.27 R92.2
Q9_1: length 2.9
  BC w0.2: Q9.1 16.13,47.1 16.38,47.35 16.38,48.15 R6.1
R6_2: length 5.8
  BC w0.2: v1(14.63,50.02) 13.84,49.23 R6.2 10.26,49.04 9.84,49.46 R5.1
R12_2: length 5.6
  BC w0.2: C62.2 22.59,46.2 23.75,45.04 R12.2
R16_1: length 6.4
  FC w0.2: IC10.3 48.76,5.57 48.05,6.28 46.97,6.28 46.28,5.59 v1(46.28,4.15)
  BC w0.2: R16.1 46.62,3.81 v1(46.28,4.15)
R24_2: length 28.7
  FC w0.5: CNP3.7 6.31,44.37 v1(5.95,44.01)
  IC1 w0.5: v1(5.95,44.01) 5.95,36.47 7.06,35.36 10.62,35.36 v1(11.18,35.92)
  IC2 w0.5: v1(14.11,26.55) 14.95,27.39 14.95,32.01 11.18,35.78 v1(11.18,35.92)
  BC w0.2: R24.2 14.16,26.6 v1(14.11,26.55)
R54_1: length 51.6
  FC w0.2: D9.1 29.95,49.13 D10.1 28.08,49.14 27.2,48.26 v1(27.2,45.15) ; IC8.1 13.41,47.4 12.87,46.85 v1(10.92,46.85)
  IC1 w0.2: v1(10.92,46.85) 14.54,46.85 v1(16.84,44.55) 16.85,44.55 17.61,43.79 25.84,43.79 v1(27.2,45.15)
  IC2 w0.2: v1(10.92,46.85) 8.11,49.66 v1(8.11,52.5)
  BC w0.2: R58.2 7.63,50.68 7.89,50.42 R5.2 ; R58.2 7.63,52.02 v1(8.11,52.5) ; R58.2 R50.1 ; Q9.2 16.16,45.8 16.57,45.39 16.57,44.82 v1(16.84,44.55) ; 5.35,45.46 6.76,45.46 7.14,45.84 9.91,45.84 v1(10.92,46.85)
R54_2: length 4.1
  BC w0.2: R54.2 3.77,45.52 3.77,47.52 3.69,47.6 3.69,49.52
R55_1: length 4.1
  BC w0.2: R55.1 14.67,44.84 14.67,44.83 14.49,45.01 14.49,45.95 13.99,46.45 Q9.3
R56_2: length 111.5
  FC w0.2: CNP3.4 1.68,47.37 ; 1.68,47.37 1.13,47.92 1.13,48.88 2.13,49.88 5.53,49.88 6.04,49.37 CNP3.2 10.78,49.37 v1(11.65,50.24) ; 1.68,47.37 1.26,46.95 1.26,31.21 2.51,29.96 v1(2.51,29.83) ; C12.1 5.25,8.8 v1(5.31,8.74) ; D10.2 32.62,46.34 D9.2 32.82,46.54 v1(32.82,45.22) ; 22.31,48.35 22.31,46.08 v1(21.28,45.05)
  IC1 w0.2: v1(7.67,22.33) 7.67,19.99 5.31,17.63 v1(5.31,8.74) ; v1(32.82,45.22) 32.78,45.22 31.01,46.99 23.09,46.99 21.28,45.18 v1(21.28,45.05) 21.24,45.05 18.16,48.13 13.76,48.13 v1(11.65,50.24)
  BC w0.2: C40.1 C43.1 19.5,46.23 20.68,45.05 v1(21.28,45.05) 21.05,44.82 R56.2 ; C2#2.2 12.4,51.3 R4.1 12.19,50.78 v1(11.65,50.24) ; v1(7.67,22.33) 8.32,22.98 L5.1 8.32,23.99 8.65,24.32 8.65,27.1 7.79,27.96 7.03,27.96 6.53,28.46 C51.2 6.49,29.48 6.14,29.83 v1(2.51,29.83)
R57_2: length 9.2
  BC w0.2: 7.77,47.46 7.7,47.52 C26.1 5.33,47.54 R53.1 5.33,49.67 3.74,51.26 R50.2 3.81,51.61 C39.2
R61_2: length 2.5
  FC w0.2: v1(34.28,57.28) 34.25,57.25 R61.2
  BC w0.2: v1(34.28,57.28) 33.72,57.28 33.25,56.82 C56#2.1
R65_2: length 4.4
  BC w0.2: R65.2 3.96,37.11 2.96,38.11 C13.2
R73_2: length 5.3
  FC w0.2: 47.34,29.25 47.23,29.14 46.02,29.14 45.17,29.99 R73.2 ; 47.34,29.25 47.7,29.61 IC2.2 ; 47.34,29.25 47.73,28.85 47.73,28.84 47.78,28.79 R81.2
R75_1: length 13.5
  FC w0.2: R75.1 44.66,42.34 v1(45.14,41.86)
  BC w0.2: C60.2 43.19,45.52 C59.2 43.04,42.99 44.17,41.86 v1(45.14,41.86)
R82_2: length 12.2
  FC w0.2: R82.2 40.8,55.28 39.8,56.28 v1(39.8,56.88) ; v1(34.73,55.32) 34.73,55.36 35.27,55.9 R61.1
  IC1 w0.2: 34.72,55.32 v1(34.73,55.32) 35.47,56.06 37.17,56.06 37.57,55.66 39.09,55.66 39.8,56.37 v1(39.8,56.88)
  BC w0.2: v1(39.8,56.88) 39.8,56.23 40.57,55.46 SW2.2
RL1_2: length 4.1
  FC w0.2: RL1.2 31.55,37.23 v1(32.52,36.26)
  BC w0.2: R46.2 30.88,36.68 31.3,36.26 v1(32.52,36.26)
RL1_3: length 2.7
  FC w0.2: v1(35.25,36.48) 35.25,36.49 34.25,37.49 RL1.3
  BC w0.2: v1(35.25,36.48) 35.99,37.22 R18.2
RL1_4: length 14
  FC w0.1: v1(38.02,37.78) 37.97,37.83
  FC w0.4: RL1.4 36.89,37.83 37.97,37.83
  IC2 w0.1: v1(38.02,37.78) 36.97,38.83 28.6,38.83 v1(27.58,37.81)
  BC w0.2: IC6.4 27.63,37.24 27.63,37.76 v1(27.58,37.81)
RL1_5: length 28.7
  FC w0.2: D1.3 38.92,51.33 38.46,50.86 v1(37.5,50.86) 37.5,46.52 36.55,45.57 RL1.5
  IC1 w0.2: v1(37.5,50.86) 36.2,52.16 v1(29.6,52.16)
  BC w0.2: C62.1 28.09,50.48 29.6,51.99 v1(29.6,52.16) 29.5,52.26 C3.1 27.69,52.33 C4.1 C1.1
RL1_7: length 14.6
  FC w0.2: v1(38.09,41.62) 38.09,45.32 39.03,46.26 39.03,46.59 ; v1(32.62,41.73) 31.55,42.8 RL1.7
  IC2 w0.2: v1(38.09,41.62) 38.07,41.64 38.05,41.64 36.85,42.84 33.73,42.84 v1(32.62,41.73)
T1_4: length 17.2
  FC w1: v1(24.3,52.16) 24.3,43.23 T1.4
  BC w0.2: v1(24.3,52.16) 26.12,52.16 C3.2 26.22,54.35 26.14,54.42 C4.2 C1.2
TEL_GND: length 11.7
  FC w0.2: CNP1.2 55.26,50.81 55.63,51.18 CNP1.3 55.63,53.81 55.13,54.31 CNP1.4 53.84,54.52 v1(53.84,55.66)
  BC w0.2: v1(53.84,55.66) 54.73,54.77 L2.1
TEL_Line: length 5.3
  FC w0.2: CNP1.1 51.25,53.04 51.64,53.43 51.64,54.85 v1(50.96,55.53)
  BC w0.2: v1(50.96,55.53) 49.13,55.53 L1.1
TLP124_4: length 10.4
  FC w0.2: PC2.4 39.19,36.73 39.19,35.31 v1(39.18,35.3) ; v1(42.93,31.46) 42.93,30.24 43.17,29.99
  IC1 w0.2: v1(39.18,35.3) 39.18,34.12 39.85,33.45 42.29,33.45 42.91,32.83 42.91,31.48 v1(42.93,31.46)

## Copper pours and planes (outline as drawn; the poured copper is in the pictures)
GND on FC: 26.24,14.88 26.11,14.88 26.13,13.8 26.55,13.8 26.83,14.18 27.91,14.2 28.21,13.98 28.23,12.84 28.42,12.67 28.94,12.68 28.94,13.63 29.62,13.66 29.69,13.85 29.69,14.56 29.8,14.81 30,14.91 32.58,14.93 32.93,14.74 34.13,14.74 34.13,13.85 33.88,13.54 31.61,13.51 31.37,13.21 31.4,12.44 31.19,12.2 31.24,11.91 32.12,11.07 32.11,9.83 32.34,9.63 33,9.62 33.36,9.33 33.36,9.03 33.56,8.88 34.42,8.88 34.52,9 34.48,12.21 35.97,13.68 35.98,15.7 35.75,15.88 34.71,15.9 34.25,16.32 32.7,16.34 32.54,16.52 31.18,16.49 30.91,16.68 30.91,17.8 31.08,18.05 32.99,18.05 33.27,17.81 34.22,17.8 34.8,18.32 35.9,18.35 36.04,18.54 36.02,19.15 36.51,19.69 36.9,19.68 37.47,19.26 37.46,18 37.69,17.79 40.33,17.8 40.39,18 40.39,19.09 40.2,19.27 40.2,20.33 40.49,20.55 41.13,20.55 41.3,20.71 41.33,21.21 41.16,21.41 40.39,21.43 39.64,20.71 38.89,20.73 38.41,21.13 36.3,21.11 36.03,20.89 35.98,19.98 35.14,19.21 29.52,19.28 28.24,17.63 29.19,17.6 29.55,17.25 29.49,16.21 29.03,15.88 28.48,15.94 27.44,14.85
GND on FC: 55.82,24.78 55.82,26.84 48.45,26.84 48.45,24.81
GND on FC: 27.94,19.83 27.95,26.24 29.84,26.24 30.05,26.05 30.04,25.35 29.64,24.85 29.62,23.54 29.43,23.4 28.9,23.39 28.75,23.08 28.76,22.23 29.01,22.05 30.02,22.05 30.43,21.81 30.43,21.35 30.21,21.01 29.25,21 28.91,20.72 28.91,19.96 28.74,19.79 27.99,19.79
GND on FC: 48.28,8.52 48.64,8.17 53.64,8.15 53.94,8.39 53.93,10.41 50.84,10.42 50.68,10.54 48.36,10.54 48.28,10.33
GND on FC: 14.75,26.5 18.04,26.46 18.06,28.58 19.36,28.55 19.35,26.52 21.86,26.52 21.87,24 19.5,24 19.5,21.88 14.75,21.88
GND on BC: 38.19,29.11 38.93,29.09 39.31,29.49 39.37,32.02 39.19,32.19 38.26,32.16 37.92,31.83 37.94,31.39 37.6,31 25.32,31.02 24.63,31.73 24.62,33.78 24.69,33.93 24.65,34.47 24.14,34.98 24.11,36.32 24.63,36.84 25.04,36.83 25.08,37.1 24.62,37.13 24.41,37.33 23.7,37.34 23.46,37.14 23.5,35.33 23.27,34.9 22.59,34.92 22.6,34.45 23.34,34.45 23.36,34.1 23.79,33.59 23.82,33.15 23.56,33.02 23.55,32.57 23.76,32.39 23.76,30.79 23.98,30.46 24.47,30.44 25.23,29.71 25.28,29.19 25.52,28.95 29.68,28.98 29.6,30.28 37.25,30.32 37.43,30.04 37.42,29.11
GND on IP1: 56.42,3.79 56.51,19.86 55.98,20.48 55.69,21.3 55.76,32.76 46.2,32.82 46.23,38.24 27.95,38.34 27.97,36.13 14.98,36.18 14.96,30.1 11.38,30.12 11.36,27.29 18.1,27.22 18.05,12.96 32.36,12.92 32.5,7.48 29.78,7.48 29.79,5.03 34.94,4.98 34.94,7.8 39.97,7.8 39.95,4.98 39.94,3.95
VCC_PC110 on BC: 37.65,36.9 37.88,37.1 42.4,37.09 42.72,36.79 42.7,34.72 43.11,34.3 43.56,34.32 44.12,33.78 44.1,32.24 43.79,32.03 43.55,32.04 42.66,32.86 38.29,32.8 37.8,32.38 31.63,32.39 31.51,32.47 28.18,32.49 27.94,32.72 27.77,32.72 27.84,34.36 28.34,34.64 31.69,34.58 32,34.28 31.99,33.06 35.76,33.06 35.75,34.33 36.08,34.61 40.4,34.6 40.67,34.9 40.68,35.79 40.28,36.14 37.79,36.11 37.59,36.3 37.09,36.38 36.76,36.75 36.72,36.9
VCC_PC110 on IP2: 36.92,5.18 36.93,9.26 27.61,9.25 27.62,12.8 14.92,12.82 14.93,27.36 20.86,27.35 20.88,31.52 37.69,31.47 37.69,33.2 42.3,33.2 42.3,34.89 44.7,34.88 44.7,27.78 46.21,27.76 46.2,24.69 55.65,24.71 55.64,21.62 55.79,20.89 56.17,20.29 56.59,19.82 57.05,19.57 57.74,19.35 58.41,19.31 63.22,19.33 63.19,5.18
Pluto_Enabled_PNET5 on IP2: 55.65,32.83 47.95,32.86 47.98,38.85 24.14,38.87 24.13,35.38 14.91,35.39 14.91,30.87 12.09,30.89 12.12,27.98 20.32,27.99 20.31,32.16 37.14,32.11 37.15,33.8 41.72,33.77 41.73,35.57 45.31,35.54 45.28,28.45 46.82,28.45 46.83,25.32 55.65,25.36
PNET1 on IP2: 8.95,12.08 8.95,1.23 63.16,1.24 63.17,4.51 36.31,4.53 36.33,8.64 27.09,8.61 27.07,12.17
PNET4 on IP1: 63.17,19.21 57.78,19.25 57.18,19.44 57.06,3.09 39.31,3.28 39.33,7.15 35.54,7.14 35.52,4.31 29.23,4.36 29.2,8.13 31.7,8.13 31.7,12.25 17.43,12.32 17.51,26.55 11.51,26.64 11.43,14.31 9.53,14.3 9.48,1.48 63.16,1.09

## Text on the board
BC: Recreated by: / Ahmad Byagowi
